# KiCad board uf2-batch-flasher.kicad_pcb (continued)
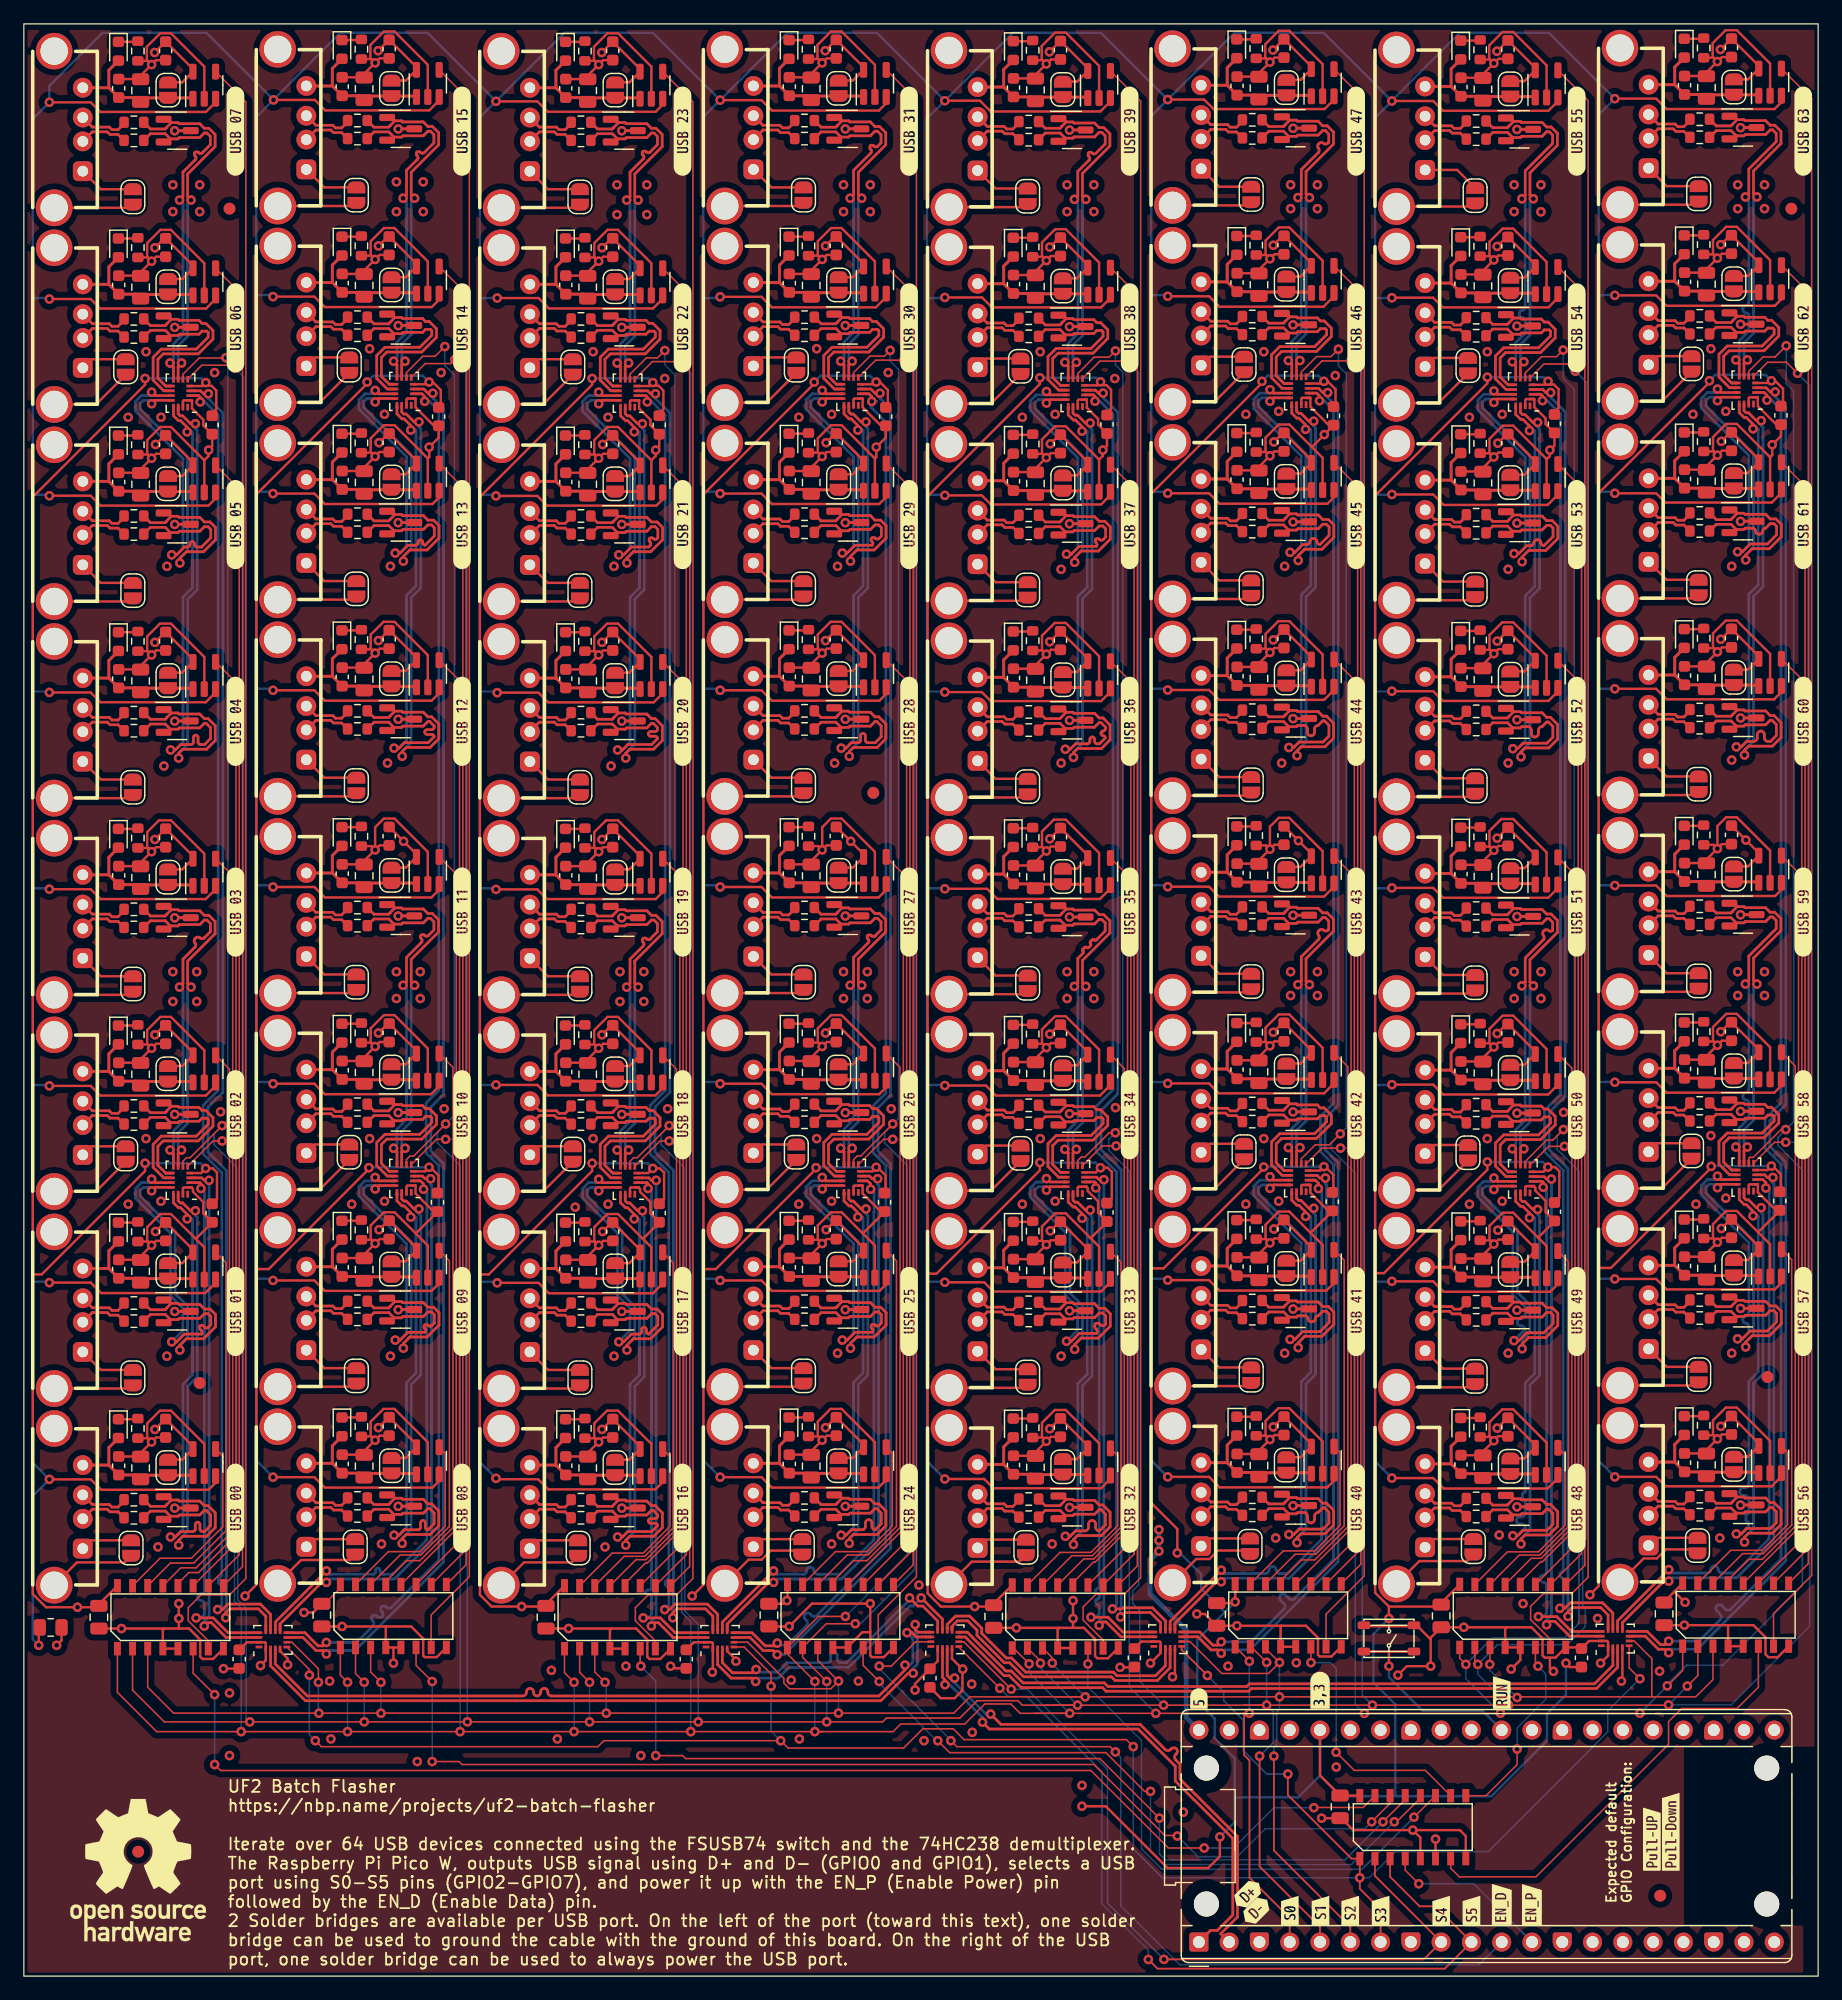
[diagram p0: board, top side]
## Routing (per net, layer and track width the routed paths; a pad name or vN(x,y) marks a point on that pad's centre or on a via; arc(x,y) is an arc through that point) (continued)
  Top w0.25: U7601.1 145.44,141.31 141.47,141.31 C7602.1 140.76,141.33 C7605.1 138.47,142.16 ; 138.47,142.16 138.47,143.63 D7601.2 ; 138.47,142.16 J7601.1
/16usb-ports3/4usb-port3/usb-port3/VBUS: length 12.5
  Top w0.25: 138.47,158.65 138.47,160.12 D8301.2 ; 138.47,158.65 J8301.1 ; 138.47,158.65 C8305.1 140.76,157.82 C8302.1 141.47,157.8 145.44,157.8 U8301.1
GND: length 2360.6
  Top w0.2: 33.88,127.29 U2101.2 ; 33.88,127.29 31.09,130.09 30.2,130.09 29.09,128.98 29.09,127.83 v1(29.46,127.46) ; 33.88,127.29 34,127.41 v1(34,128.25) 34.79,129.04 C1801.2 34.4,130.03 32.86,131.58 32.86,132.28 32.82,132.32 U1801.1 32.17,132.32 32.09,132.25 U1801.15 ; v1(85.77,61.35) 86.14,61.73 C6301.2 ; v1(85.77,61.35) 85.4,61.72 85.4,62.88 86.5,63.98 87.39,63.98 90.19,61.19 U6301.2 ; v1(85.77,61.35) 85.45,61.67 R6302.2 ; v1(85.77,61.35) 84.85,60.43 C6302.2 84.83,60.14 C6305.2 ; C3205.2 66.03,76.76 C3202.2 66.04,77.06 v1(66.96,77.98) ; v1(104.52,160.54) 104.12,160.93 104.12,162.04 105.25,163.16 106.14,163.16 108.94,160.37 U6201.2 ; v1(104.52,160.54) 103.6,159.62 C6202.2 103.58,159.32 C6205.2 ; v1(104.52,160.54) 104.2,160.85 R6202.2 ; v1(104.52,160.54) 104.89,160.91 C6201.2 ; v1(10.71,143.84) 9.79,142.92 C1102.2 9.78,142.63 C1105.2 ; v1(10.71,143.84) 10.4,144.16 ; v1(10.71,143.84) 11.09,144.22 C1101.2 ; v1(29.46,77.98) 29.84,78.35 C1401.2 ; v1(29.46,77.98) 28.54,77.06 C1402.2 28.53,76.76 C1405.2 ; v1(29.46,77.98) 29.15,78.29 ; v1(123.3,160.44) 122.98,160.75 R7402.2 ; v1(123.3,160.44) 123.67,160.81 C7401.2 ; v1(123.3,160.44) 122.91,160.83 122.91,161.94 124.03,163.06 124.93,163.06 127.72,160.27 U7401.2 ; v1(123.3,160.44) 122.38,159.52 C7402.2 122.36,159.22 C7405.2 ; U501.2 15.13,61.13 12.34,63.92 11.45,63.92 10.34,62.82 10.34,61.67 v1(10.71,61.3) ; U5101.2 90.19,110.71 87.39,113.5 86.47,113.5 85.4,112.43 85.4,111.24 v1(85.77,110.87) ; v1(48.21,110.82) 47.84,111.19 47.84,112.37 48.91,113.44 49.84,113.44 52.63,110.65 U2401.2 ; v1(48.21,110.82) 48.59,111.19 C2401.2 ; v1(48.21,110.82) 47.9,111.13 R2402.2 ; v1(48.21,110.82) 47.29,109.9 C2402.2 47.28,109.6 C2405.2 ; U301.15 13.34,66.08 13.42,66.16 U301.1 14.04,66.16 14.19,66.01 14.19,65.79 15.05,64.93 15.05,63.98 C301.2 15.79,63.21 14.42,61.84 ; C3601.2 48.59,45.18 v1(48.21,44.8) ; JP1201.1 6.45,149.88 J1201.4 ; 66.65,144.31 66.59,144.36 66.59,145.51 67.7,146.62 68.58,146.62 71.38,143.82 U2501.2 ; 66.65,144.31 v1(66.96,143.99) ; 66.65,144.31 R2502.2 ; v1(104.52,78.03) 103.6,77.11 C4502.2 103.58,76.82 C4505.2 ; v1(104.52,78.03) 104.89,78.41 C4501.2 ; v1(104.52,78.03) 104.2,78.35 ; v1(142.05,127.57) 141.73,127.88 R7702.2 ; v1(142.05,127.57) 142.42,127.94 C7701.2 ; v1(142.05,127.57) 141.68,127.94 141.68,129.09 142.78,130.19 143.68,130.19 146.47,127.4 ; v1(142.05,127.57) 141.13,126.65 C7702.2 141.11,126.35 C7705.2 ; v1(123.3,94.42) 122.93,94.79 122.93,96.06 123.92,97.05 124.93,97.05 127.72,94.26 U8001.2 ; v1(123.3,94.42) 122.98,94.74 R8002.2 ; v1(123.3,94.42) 123.67,94.8 C8001.2 ; v1(123.3,94.42) 122.38,93.5 C8002.2 122.36,93.21 C8005.2 ; C2302.2 v1(64.19,29.33) 66.11,31.25 v1(70.99,31.25) 70.99,28.85 ; U1301.15 32.09,66.23 32.17,66.31 U1301.1 32.82,66.31 32.86,66.27 32.86,65.64 34.37,64.13 C1301.2 34.69,64.11 32.87,62.29 ; v1(48.21,44.8) 47.84,45.17 47.84,46.36 48.91,47.43 49.84,47.43 52.63,44.64 U3601.2 ; v1(48.21,44.8) 47.29,43.88 C3602.2 47.28,43.59 C3605.2 ; v1(48.21,44.8) 47.9,45.12 R3602.2 ; v1(10.71,94.32) 11.09,94.69 C701.2 ; v1(10.71,94.32) 10.34,94.69 10.34,95.95 11.33,96.94 12.34,96.94 15.13,94.15 U701.2 ; v1(10.71,94.32) 9.79,93.4 C702.2 9.78,93.1 C705.2 ; v1(10.71,94.32) 10.4,94.63 R702.2 ; 104.2,144.36 v1(104.52,144.05) ; 104.2,144.36 104.15,144.42 104.15,145.57 105.26,146.68 106.14,146.68 108.94,143.88 U5801.2 ; 104.2,144.36 R5802.2 ; v1(104.52,144.05) 103.6,143.13 C5802.2 103.58,142.83 C5805.2 ; v1(104.52,144.05) 104.89,144.42 C5801.2 ; J4501.4 99.47,69.81 JP4501.1 ; U601.2 15.13,77.66 12.33,80.46 11.45,80.46 10.34,79.35 10.34,78.2 10.4,78.14 ; U2302.4 U2302.5 69.13,27.65 70.33,28.85 70.99,28.85 ; J2101.4 25.2,117.01 JP2101.1 ; U7001.2 127.72,77.76 124.92,80.56 124.04,80.56 122.93,79.45 122.93,78.3 122.98,78.25 ; JP901.1 6.45,116.86 J901.4 ; 29.15,144.31 29.09,144.36 29.09,145.51 30.2,146.62 31.08,146.62 33.88,143.82 U2001.2 ; 29.15,144.31 R2002.2 ; 29.15,144.31 v1(29.46,143.99) ; v1(48.21,143.84) 48.59,144.22 C3001.2 ; v1(48.21,143.84) 47.9,144.16 ; v1(48.21,143.84) 47.29,142.92 C3002.2 47.28,142.63 C3005.2 ; v1(142.05,111.08) 141.13,110.16 C7202.2 141.11,109.86 C7205.2 ; v1(142.05,111.08) 142.42,111.45 C7201.2 ; v1(142.05,111.08) 141.68,111.44 141.68,112.63 142.75,113.7 143.68,113.7 146.47,110.91 U7201.2 ; v1(142.05,111.08) 141.73,111.39 R7202.2 ; 85.45,78.2 v1(85.77,77.88) ; 85.45,78.2 R6002.2 ; 85.45,78.2 85.4,78.25 85.4,79.4 86.51,80.51 87.39,80.51 90.19,77.71 U6001.2 ; v1(85.77,77.88) 86.14,78.26 C6001.2 ; v1(85.77,77.88) 84.85,76.96 C6002.2 84.83,76.67 C6005.2 ; J3801.4 43.95,116.86 JP3801.1 ; v1(10.71,61.3) 11.09,61.67 C501.2 ; v1(10.71,61.3) 10.4,61.61 R502.2 ; v1(10.71,61.3) 9.79,60.38 C502.2 9.78,60.08 C505.2 ; U5201.15 107.15,66.29 107.22,66.36 U5201.1 107.87,66.36 107.91,66.33 107.91,65.7 109.42,64.19 C5201.2 109.75,64.16 107.93,62.35 ; 51.92,61.84 53.29,63.21 C3101.2 52.55,63.98 52.55,64.93 51.69,65.79 51.69,66.01 51.54,66.16 U3101.1 50.92,66.16 50.84,66.08 U3101.15 ; v1(123.3,44.91) 122.98,45.23 R8402.2 ; v1(123.3,44.91) 122.93,45.28 122.93,46.46 124,47.54 124.93,47.54 127.72,44.74 U8401.2 ; v1(123.3,44.91) 123.67,45.29 C8401.2 ; v1(123.3,44.91) 122.38,43.99 C8402.2 122.36,43.7 C8405.2 ; 89.48,61.9 90.85,63.26 C4801.2 90.1,64.03 90.1,64.99 89.24,65.85 89.24,66.07 89.1,66.21 U4801.1 88.47,66.21 88.4,66.14 U4801.15 ; v1(123.3,110.92) 123.67,111.3 C6601.2 ; v1(123.3,110.92) 122.98,111.24 R6602.2 ; v1(123.3,110.92) 122.38,110 122.38,109.69 122.36,109.71 C6605.2 ; v1(123.3,110.92) 122.93,111.29 122.93,112.48 124,113.55 124.93,113.55 127.72,110.76 U6601.2 ; v1(123.3,127.42) 122.93,127.79 122.93,128.94 124.03,130.04 124.93,130.04 127.72,127.25 ; v1(123.3,127.42) 122.98,127.73 R6702.2 ; v1(123.3,127.42) 123.67,127.79 C6701.2 ; v1(123.3,127.42) 122.38,126.5 C6702.2 122.36,126.2 C6705.2 ; J8301.4 137.79,150.14 JP8301.1 ; R3202.2 66.65,78.29 ; 66.65,78.29 v1(66.96,77.98) ; 66.65,78.29 66.59,78.35 66.59,79.5 67.7,80.61 68.58,80.61 71.38,77.81 U3201.2 ; C4403.2 93.74,28.06 U4403.15 95.27,28.06 95.35,27.99 U4403.1 95.35,27.1 v1(94.5,26.25) ; U1201.2 15.13,160.16 12.34,162.96 11.45,162.96 10.32,161.83 10.32,160.73 v1(10.71,160.33) ; v1(48.21,127.31) 47.9,127.63 R3802.2 ; v1(48.21,127.31) 47.29,126.39 C3802.2 47.28,126.1 C3805.2 ; v1(48.21,127.31) 48.59,127.69 C3801.2 ; v1(48.21,127.31) 47.84,127.68 47.84,128.83 48.95,129.94 49.84,129.94 52.63,127.14 ; 71.38,127.29 68.59,130.09 67.7,130.09 66.59,128.98 66.59,127.83 v1(66.96,127.46) ; 71.38,127.29 71.5,127.41 v1(71.5,128.25) 72.29,129.04 C2701.2 71.9,130.03 70.36,131.58 70.36,132.28 70.32,132.32 U2701.1 69.67,132.32 69.59,132.25 U2701.15 ; 71.38,127.29 U2601.2 ; U1501.2 33.88,94.3 31.09,97.09 30.2,97.09 29.46,96.36 v1(29.46,94.47) ; J2201.4 25.2,100.52 JP2201.1 ; v1(128.3,25.57) 128,25.87 128,26.71 ; JP1901.1 25.2,150.03 J1901.4 ; v1(66.96,61.45) 66.65,61.76 R3302.2 ; v1(66.96,61.45) 67.34,61.82 C3301.2 ; v1(66.96,61.45) 66.04,60.53 C3302.2 66.03,60.23 C3305.2 ; v1(66.96,61.45) 66.59,61.82 66.59,62.97 67.7,64.07 68.59,64.07 70.37,62.29 ; v1(29.46,160.48) 29.07,160.88 29.07,161.98 30.2,163.11 31.09,163.11 33.88,160.31 U1901.2 ; v1(29.46,160.48) 29.15,160.8 R1902.2 ; v1(29.46,160.48) 29.84,160.86 C1901.2 ; v1(29.46,160.48) 28.54,159.56 C1902.2 28.53,159.27 C1905.2 ; v1(104.52,127.52) 104.89,127.89 C4701.2 ; v1(104.52,127.52) 103.6,126.6 C4702.2 103.58,126.3 C4705.2 ; v1(104.52,127.52) 104.15,127.89 104.15,129.04 105.25,130.14 106.14,130.14 108.04,128.25 ; v1(104.52,127.52) 104.2,127.83 R4702.2 ; 124.38,29.26 C6501.2 118,28.38 118,28.25 ; 124.38,29.26 126.44,29.26 127.38,28.33 127.38,26.9 127.56,26.71 128,26.71 ; 124.38,29.26 124.24,29.13 U6501.4 U6501.5 125.51,26.51 v1(124.75,25.75) ; v1(123.3,61.4) 122.93,61.77 122.93,62.93 124.03,64.03 124.93,64.03 127.72,61.24 U6901.2 ; v1(123.3,61.4) 123.67,61.78 C6901.2 ; v1(123.3,61.4) 122.38,60.48 C6902.2 122.36,60.19 C6905.2 ; v1(123.3,61.4) 122.98,61.72 R6902.2 ; C1201.2 11.09,160.71 v1(10.71,160.33) ; R2102.2 29.15,127.78 v1(29.46,127.46) ; v1(142.05,144.1) 142.42,144.47 C7601.2 ; v1(142.05,144.1) 141.13,143.18 C7602.2 141.11,142.88 C7605.2 ; v1(142.05,144.1) 141.73,144.41 ; J6401.4 81.51,149.94 JP6401.1 ; J1601.4 24.34,36.66 JP1601.1 ; U7301.2 146.47,94.41 143.68,97.2 142.78,97.2 142.05,96.47 v1(142.05,94.58) ; U4501.2 108.94,77.86 106.14,80.66 105.26,80.66 104.15,79.55 104.15,78.4 104.2,78.35 ; JP4101.1 43.95,83.87 J4101.4 ; v1(29.46,127.46) 28.54,126.54 C2102.2 28.53,126.25 C2105.2 ; v1(29.46,127.46) 29.84,127.84 C2101.2 ; 86.85,29.21 86.71,29.08 U4401.4 U4401.5 ; 86.85,29.21 88,29.21 ; 86.85,29.21 C4401.2 ; v1(85.77,160.39) 86.14,160.76 C6401.2 ; v1(85.77,160.39) 85.37,160.78 85.37,161.89 86.5,163.01 87.39,163.01 90.19,160.22 U6401.2 ; v1(85.77,160.39) 85.45,160.7 R6402.2 ; v1(85.77,160.39) 84.85,159.47 C6402.2 84.83,159.17 C6405.2 ; J3201.4 61.91,69.76 JP3201.1 ; 107.93,62.35 106.14,64.13 105.25,64.13 104.15,63.03 104.15,61.87 v1(104.52,61.5) ; 107.93,62.35 108.94,61.34 U4601.2 ; R7502.2 141.73,45.38 v1(142.05,45.06) ; C2005.2 28.53,142.78 C2002.2 28.54,143.07 v1(29.46,143.99) ; JP3301.1 62.7,51 J3301.4 ; v1(85.77,94.37) 85.4,94.74 85.4,96.01 86.39,97 87.39,97 90.19,94.21 U6101.2 ; v1(85.77,94.37) 85.45,94.69 R6102.2 ; v1(85.77,94.37) 86.14,94.75 C6101.2 ; v1(85.77,94.37) 84.85,93.45 C6102.2 84.83,93.16 C6105.2 ; v1(104.52,94.52) 104.89,94.9 C5301.2 ; v1(104.52,94.52) 103.6,93.6 C5302.2 103.58,93.31 C5305.2 ; v1(104.52,94.52) 104.52,96.42 105.25,97.15 106.14,97.15 108.94,94.36 U5301.2 ; v1(104.52,94.52) 104.2,94.84 R5302.2 ; 146.47,127.4 U7701.2 ; 146.47,127.4 146.65,127.58 v1(146.65,128.45) 147.38,129.18 C7801.2 146.99,130.14 145.44,131.69 145.44,132.39 145.41,132.43 U7801.1 144.75,132.43 144.68,132.35 U7801.15 ; v1(142.05,160.59) 141.13,159.67 C8302.2 141.11,159.37 C8305.2 ; v1(142.05,160.59) 142.42,160.96 C8301.2 ; v1(142.05,160.59) 141.65,160.98 141.65,162.13 142.74,163.21 143.68,163.21 146.47,160.42 U8301.2 ; v1(142.05,160.59) 141.73,160.9 R8302.2 ; J7401.4 120.22,151.5 JP7401.1 ; v1(66.96,143.99) 67.34,144.37 C2501.2 ; v1(66.96,143.99) 66.04,143.07 C2502.2 66.03,142.78 C2505.2 ; v1(48.21,61.3) 47.84,61.67 47.84,62.82 48.95,63.92 49.84,63.92 52.63,61.13 U3401.2 ; v1(48.21,61.3) 47.29,60.38 C3402.2 47.28,60.08 C3405.2 ; v1(48.21,61.3) 48.59,61.67 C3401.2 ; v1(48.21,61.3) 47.9,61.61 R3402.2 ; v1(10.71,160.33) 9.79,159.41 C1202.2 9.78,159.12 C1205.2 ; v1(10.71,160.33) 10.4,160.65 R1202.2 ; C1001.2 11.09,111.19 v1(10.71,110.82) ; JP8001.1 119.04,83.97 J8001.4 ; v1(10.71,44.8) 10.4,45.12 R401.2 ; v1(10.71,44.8) 10.34,45.17 10.34,46.36 11.41,47.43 12.34,47.43 15.13,44.64 U401.2 ; v1(10.71,44.8) 9.79,43.88 C402.2 9.78,43.59 C405.2 ; v1(10.71,44.8) 11.09,45.18 C401.2 ; C2605.2 66.03,126.25 C2602.2 66.04,126.54 v1(66.96,127.46) ; JP2501.1 61.91,135.77 J2501.4 ; 10.4,78.14 v1(10.71,77.83) ; 10.4,78.14 R602.2 ; v1(10.71,77.83) 9.79,76.91 C602.2 9.78,76.61 C605.2 ; v1(10.71,77.83) 11.09,78.2 C601.2 ; 108.04,128.25 108.94,127.35 U4701.2 ; 108.04,128.25 109.85,130.06 C5001.2 109.46,130.09 107.91,131.64 107.91,132.34 107.87,132.38 U5001.1 107.22,132.38 107.15,132.3 U5001.15 ; v1(142.05,45.06) 141.13,44.14 C7502.2 141.11,43.85 C7505.2 ; v1(142.05,45.06) 142.42,45.44 C7501.2 ; v1(142.05,45.06) 141.68,45.43 141.68,46.61 142.75,47.69 143.68,47.69 146.47,44.89 U7501.2 ; 105.45,29.39 105.41,29.35 U4402.4 U4402.5 ; 105.45,29.39 v1(101.75,29.39) C4402.2 99.06,30.38 v1(98.39,30.38) ; 105.45,29.39 107.54,29.39 108.55,28.38 108.55,26.95 108.68,26.81 109.68,26.81 U4402.8 ; v1(85.77,127.37) 84.85,126.45 C5502.2 84.83,126.15 C5505.2 ; v1(85.77,127.37) 85.45,127.68 R5502.2 ; v1(85.77,127.37) 85.4,127.74 85.4,128.89 86.5,129.99 87.39,129.99 90.19,127.2 ; v1(85.77,127.37) 86.14,127.74 C5501.2 ; R2802.2 66.65,94.78 v1(66.96,94.47) ; v1(85.77,110.87) 85.45,111.19 R5102.2 ; v1(85.77,110.87) 84.85,109.95 C5102.2 84.83,109.66 C5105.2 ; v1(85.77,110.87) 86.14,111.25 C5101.2 ; U8501.15 125.93,66.19 126,66.26 U8501.1 126.63,66.26 126.78,66.12 126.78,65.9 127.64,65.04 127.64,64.08 C8501.2 128.38,63.31 127.01,61.95 ; v1(142.05,61.56) 141.73,61.87 R8202.2 ; v1(142.05,61.56) 142.42,61.93 C8201.2 ; v1(142.05,61.56) 141.68,61.92 141.68,63.08 142.78,64.18 143.68,64.18 145.46,62.4 ; v1(142.05,61.56) 141.13,60.63 C8202.2 141.11,60.34 C8205.2 ; v1(66.96,94.47) 66.96,96.36 67.7,97.09 68.59,97.09 71.38,94.3 U2801.2 ; v1(66.96,94.47) 66.04,93.55 C2802.2 66.03,93.25 C2805.2 ; v1(66.96,94.47) 67.34,94.84 C2801.2 ; v1(123.3,77.93) 123.67,78.31 C7001.2 ; v1(123.3,77.93) 122.38,77.01 C7002.2 122.36,76.72 C7005.2 ; v1(123.3,77.93) 122.98,78.25 ; J4701.4 100.26,117.07 JP4701.1 ; C5605.2 84.83,142.68 C5602.2 84.85,142.98 v1(85.77,143.9) ; JP6001.1 80.72,69.66 J6001.4 ; v1(48.21,160.33) 47.82,160.73 47.82,161.83 48.95,162.96 49.84,162.96 52.63,160.16 U3701.2 ; v1(48.21,160.33) 47.29,159.41 C3702.2 47.28,159.12 C3705.2 ; v1(48.21,160.33) 48.59,160.71 C3701.2 ; v1(48.21,160.33) 47.9,160.65 R3702.2 ; 32.87,62.29 31.09,64.07 30.2,64.07 29.09,62.97 29.09,61.82 v1(29.46,61.45) ; 32.87,62.29 33.88,61.28 U1701.2 ; 31,27.57 U202.4 30.36,29.3 30.39,29.33 ; 31,27.57 v1(31,26.25) ; 31,27.57 U202.5 ; J1401.4 24.41,69.76 JP1401.1 ; C4905.2 84.83,43.65 C4902.2 84.85,43.94 v1(85.77,44.86) ; 145.46,62.4 146.47,61.39 U8201.2 ; 145.46,62.4 147.28,64.21 C8101.2 146.95,64.24 145.44,65.75 145.44,66.38 145.41,66.41 U8101.1 144.75,66.41 144.68,66.34 U8101.15 ; J1701.4 25.2,51 JP1701.1 ; v1(66.96,160.48) 67.34,160.86 C4201.2 ; v1(66.96,160.48) 66.65,160.8 R4202.2 ; v1(66.96,160.48) 66.04,159.56 C4202.2 66.03,159.27 C4205.2 ; v1(66.96,160.48) 66.57,160.88 66.57,161.98 67.7,163.11 68.59,163.11 71.38,160.31 U4201.2 ; v1(29.46,110.97) 28.54,110.05 C2202.2 28.53,109.75 C2205.2 ; v1(29.46,110.97) 29.84,111.34 C2201.2 ; v1(29.46,110.97) 29.09,111.34 29.09,112.52 30.16,113.59 31.09,113.59 33.88,110.8 U2201.2 ; v1(29.46,110.97) 29.15,111.28 R2202.2 ; J3001.4 43.16,135.62 JP3001.1 ; SW101.1 112.48,29.35 116.52,29.35 SW101.2 116.82,29.43 118,28.25 ; JP3601.1 43.14,36.56 J3601.4 ; 88,29.21 88.91,29.21 89.85,28.28 89.85,26.85 90.03,26.66 90.93,26.66 U4401.8 ; 88,29.21 v1(88,31.5) ; J7001.4 118.25,69.71 JP7001.1 ; v1(104.52,45.01) 103.6,44.09 C5402.2 103.58,43.8 C5405.2 ; v1(104.52,45.01) 104.89,45.39 C5401.2 ; v1(104.52,45.01) 104.15,45.38 104.15,46.56 105.22,47.64 106.14,47.64 108.94,44.84 U5401.2 ; v1(104.52,45.01) 104.2,45.33 R5402.2 ; R2602.2 66.65,127.78 v1(66.96,127.46) ; J6901.4 119.04,50.95 JP6901.1 ; JP5501.1 81.51,116.92 J5501.4 ; JP6201.1 100.26,150.09 J6201.4 ; v1(66.96,77.98) 67.34,78.35 C3201.2 ; U103.5 117.13,11.62 v1(116.5,12.25) ; U6502.5 U6502.4 142.94,29.4 142.98,29.44 ; 90.19,127.2 U5501.2 ; 90.19,127.2 90.5,127.51 v1(90.5,128) 90.85,128.35 C5901.2 90.1,130.13 90.1,130.61 89.16,131.55 89.16,132.19 89.12,132.23 U5901.1 88.47,132.23 88.4,132.15 U5901.15 ; JP7201.1 137.79,100.62 J7201.4 ; JP7301.1 137.79,84.12 J7301.4 ; v1(66.96,44.95) 67.34,45.33 C2901.2 ; v1(66.96,44.95) 66.65,45.27 R2902.2 ; v1(66.96,44.95) 66.04,44.03 C2902.2 66.03,43.74 C2905.2 ; v1(66.96,44.95) 66.59,45.32 66.59,46.51 67.66,47.58 68.59,47.58 71.38,44.79 U2901.2 ; 85.45,144.21 85.4,144.27 85.4,145.42 86.51,146.53 87.39,146.53 90.19,143.73 U5601.2 ; 85.45,144.21 R5602.2 ; 85.45,144.21 v1(85.77,143.9) ; v1(48.21,77.83) 48.59,78.2 C3901.2 ; v1(48.21,77.83) 47.29,76.91 C3902.2 47.28,76.61 C3905.2 ; v1(48.21,77.83) 47.9,78.14 ; 141.73,78.4 v1(142.05,78.08) ; 141.73,78.4 141.68,78.45 141.68,79.6 142.79,80.71 143.67,80.71 146.47,77.91 U6801.2 ; 141.73,78.4 R6802.2 ; v1(142.05,78.08) 142.42,78.46 C6801.2 ; v1(142.05,78.08) 141.13,77.16 C6802.2 141.11,76.87 C6805.2 ; J4601.4 100.26,51.05 JP4601.1 ; JP1501.1 25.2,84.02 J1501.4 ; C4601.2 104.89,61.88 v1(104.52,61.5) ; v1(48.21,94.32) 47.9,94.63 R4102.2 ; v1(48.21,94.32) 47.84,94.69 47.84,95.95 48.83,96.94 49.84,96.94 52.63,94.15 U4101.2 ; v1(48.21,94.32) 48.59,94.69 C4101.2 ; v1(48.21,94.32) 47.29,93.4 C4102.2 47.28,93.1 C4105.2 ; JP501.1 6.45,50.85 J501.4 ; C5701.2 104.89,111.4 v1(104.52,111.02) ; v1(19.85,26.05) 20.29,26.49 U201.1 20.29,27.93 20.22,28.01 U201.15 18.7,28.01 C203.2 ; v1(29.46,94.47) 29.84,94.84 C1501.2 ; v1(29.46,94.47) 28.54,93.55 C1502.2 28.53,93.25 C1505.2 ; v1(29.46,94.47) 29.15,94.78 R1502.2 ; J5801.4 99.47,135.83 JP5801.1 ; U7901.2 127.72,143.78 124.92,146.58 124.04,146.58 122.93,145.47 122.93,144.32 122.98,144.26 ; v1(104.52,111.02) 104.15,111.39 104.15,112.58 105.22,113.65 106.14,113.65 108.94,110.86 U5701.2 ; v1(104.52,111.02) 103.6,110.1 C5702.2 103.58,109.81 C5705.2 ; v1(104.52,111.02) 104.2,111.34 R5702.2 ; v1(104.52,61.5) 104.2,61.82 R4602.2 ; v1(104.52,61.5) 103.6,60.58 C4602.2 103.58,60.29 C4605.2 ; v1(10.71,110.82) 9.79,109.9 C1002.2 9.78,109.6 C1005.2 ; v1(10.71,110.82) 10.4,111.13 R1002.2 ; v1(10.71,110.82) 10.34,111.19 10.34,112.37 11.41,113.44 12.34,113.44 15.13,110.65 U1001.2 ; U102.1 76.65,26.43 C102.2 74.75,24.53 v1(74.75,24) ; 118,28.25 v1(118,26) 116,26 v1(115.25,25.25) ; J2601.4 62.7,117.01 JP2601.1 ; 47.9,78.14 47.84,78.2 47.84,79.35 48.95,80.46 49.83,80.46 52.63,77.66 U3901.2 ; 47.9,78.14 R3902.2 ; C1705.2 28.53,60.23 C1702.2 28.54,60.53 v1(29.46,61.45) ; C905.2 9.78,126.1 C902.2 9.79,126.39 v1(10.71,127.31) ; 127.72,127.25 127.75,127.25 128,127.5 v1(128,128) 128.38,128.38 C7101.2 127.64,130.18 127.64,130.66 126.69,131.6 126.69,132.24 126.66,132.28 U7101.1 126,132.28 125.93,132.2 U7101.15 ; 127.72,127.25 U6701.2 ; JP601.1 5.66,69.61 J601.4 ; 47.9,144.16 47.84,144.21 47.84,145.36 48.95,146.47 49.83,146.47 52.63,143.67 U3001.2 ; 47.9,144.16 R3002.2 ; JP3401.1 43.95,50.85 J3401.4 ; JP2901.1 61.84,36.66 J2901.4 ; R4502.2 104.2,78.35 ; 10.4,144.16 R1102.2 ; 10.4,144.16 10.34,144.21 10.34,145.36 11.45,146.47 12.33,146.47 15.13,143.67 U1101.2 ; U1401.2 33.88,77.81 31.08,80.61 30.2,80.61 29.09,79.5 29.09,78.35 29.15,78.29 ; U7601.2 146.47,143.93 143.67,146.73 142.79,146.73 141.68,145.62 141.68,144.47 141.73,144.41 ; U3501.15 69.59,66.23 69.67,66.31 U3501.1 70.32,66.31 70.36,66.27 70.36,65.64 71.87,64.13 C3501.2 72.19,64.11 70.37,62.29 ; v1(85.77,143.9) 86.14,144.27 C5601.2 ; J7601.4 137,135.88 JP7601.1 ; v1(57.75,25.5) 57.79,25.54 U2303.1 57.79,27.93 57.72,28.01 U2303.15 56.2,28.01 C2303.2 ; 30.39,29.33 v1(26.69,29.33) C202.2 ; 30.39,29.33 32.48,29.33 33.49,28.32 33.49,26.89 33.63,26.76 34.63,26.76 U202.8 ; J7701.4 137.79,117.12 JP7701.1 ; v1(116.5,12.25) 120.45,12.25 120.94,11.75 U103.8 ; v1(116.5,12.25) 111.5,12.25 110.4,13.35 ; U3301.2 71.38,61.28 70.37,62.29 ; R7002.2 122.98,78.25 ; JP1001.1 6.45,100.37 J1001.4 ; v1(66.96,110.97) 66.65,111.28 R4302.2 ; v1(66.96,110.97) 66.04,110.05 C4302.2 66.03,109.75 C4305.2 ; v1(66.96,110.97) 67.34,111.34 C4301.2 ; v1(66.96,110.97) 66.59,111.34 66.59,112.52 67.66,113.59 68.59,113.59 71.38,110.8 U4301.2 ; v1(29.46,61.45) 29.84,61.82 C1701.2 ; v1(29.46,61.45) 29.15,61.76 R1702.2 ; C7301.2 142.42,94.95 v1(142.05,94.58) ; C901.2 11.09,127.69 v1(10.71,127.31) ; J3901.4 43.16,69.61 JP3901.1 ; 142.98,29.44 145.07,29.44 146.08,28.43 146.08,27 146.33,26.75 147.1,26.75 U6502.8 ; 142.98,29.44 v1(139.28,29.44) C6502.2 ; 29.15,78.29 R1402.2 ; v1(142.05,94.58) 141.73,94.89 R7302.2 ; v1(142.05,94.58) 141.13,93.66 C7302.2 141.11,93.36 C7305.2 ; JP4901.1 80.69,36.61 J4901.4 ; J5401.4 99.39,36.71 JP5401.1 ; 141.73,144.41 R7602.2 ; v1(29.46,44.95) 29.84,45.33 C1601.2 ; v1(29.46,44.95) 29.09,45.32 29.09,46.51 30.16,47.58 31.09,47.58 33.88,44.79 U1601.2 ; v1(29.46,44.95) 28.54,44.03 C1602.2 28.53,43.74 C1605.2 ; v1(29.46,44.95) 29.15,45.27 R1602.2 ; JP5101.1 81.51,100.42 J5101.4 ; 122.98,144.26 v1(123.3,143.95) ; 122.98,144.26 R7902.2 ; v1(123.3,143.95) 122.38,143.03 C7902.2 122.36,142.73 C7905.2 ; v1(123.3,143.95) 123.67,144.32 C7901.2 ; 15.13,127.14 12.34,129.94 11.45,129.94 10.34,128.83 10.34,127.68 v1(10.71,127.31) ; 15.13,127.14 U901.2 ; 15.13,127.14 15.5,127.51 v1(15.5,128) 15.79,128.29 C801.2 15.05,130.08 15.05,130.55 14.11,131.49 14.11,132.13 14.07,132.17 U801.1 13.42,132.17 13.34,132.1 U801.15 ; J2401.4 43.95,100.37 JP2401.1 ; J6701.4 119.04,116.97 JP6701.1 ; J5701.4 100.26,100.57 JP5701.1 ; v1(66.96,127.46) 67.34,127.84 C2601.2 ; 11.79,29.16 11.66,29.02 U203.4 U203.5 ; 11.79,29.16 13,29.16 ; 11.79,29.16 C201.2 ; JP5301.1 100.26,84.07 J5301.4 ; U2301.5 U2301.4 49.16,29.02 49.29,29.16 ; J7901.4 118.25,135.73 JP7901.1 ; v1(85.77,44.86) 85.45,45.18 R4902.2 ; v1(85.77,44.86) 86.14,45.24 C4901.2 ; v1(85.77,44.86) 85.4,45.23 85.4,46.41 86.47,47.49 87.39,47.49 90.19,44.69 U4901.2 ; JP6301.1 81.51,50.9 J6301.4 ; 70.99,28.85 70.99,26.89 71.13,26.76 72.13,26.76 U2302.8 ; 52.63,127.14 U3801.2 ; 52.63,127.14 53,127.51 v1(53,128) 53.29,128.29 C4001.2 52.55,130.08 52.55,130.55 51.61,131.49 51.61,132.13 51.57,132.17 U4001.1 50.92,132.17 50.84,132.1 U4001.15 ; J401.4 5.64,36.56 JP401.1 ; C2001.2 29.84,144.37 v1(29.46,143.99) ; J8201.4 137.79,51.1 JP8201.1 ; JP701.1 6.45,83.87 J701.4 ; J2001.4 24.41,135.77 JP2001.1 ; J3701.4 43.95,149.88 JP3701.1 ; 121.73,100.47 119.04,100.47 J6601.4 ; v1(10.71,127.31) 10.4,127.63 R902.2 ; U203.8 15.88,26.61 14.98,26.61 14.79,26.79 14.79,28.22 13.86,29.16 13,29.16 ; U2301.8 53.38,26.61 52.48,26.61 52.29,26.79 52.29,28.22 51.36,29.16 49.29,29.16 ; J8401.4 118.22,36.66 JP8401.1 ; JP6801.1 137,69.86 J6801.4 ; v1(13,31.25) 13,29.16 ; J5601.4 80.72,135.68 JP5601.1 ; JP2801.1 62.7,84.02 J2801.4 ; J6101.4 81.51,83.92 JP6101.1 ; 49.29,29.16 C2301.2 ; v1(132.25,26.25) 132.88,26.88 U6503.1 132.88,28.03 132.79,28.11 U6503.15 131.29,28.11 C6503.2 130.55,27.57 U6501.8 128.46,26.71 128,26.71 ; J1101.4 5.66,135.62 JP1101.1 ; J7501.4 136.92,36.76 JP7501.1 ; J4201.4 62.7,150.03 JP4201.1 ; JP4301.1 62.7,100.52 J4301.4 ; v1(108.85,13.25) C101.2
  Top w0.25: v1(143.99,122.02) 144,122.03 D7702.3 ; D6702.3 125.25,121.88 v1(125.24,121.87) ; v1(68.9,88.92) 68.91,88.93 D2802.3 ; D7602.3 144,138.56 v1(143.99,138.55) ; v1(50.15,72.28) 50.16,72.29 D3902.3 ; D3602.3 50.16,39.26 v1(50.15,39.25) ; v1(125.24,88.88) 125.25,88.89 D8002.3 ; v1(125.24,154.89) 125.25,154.9 D7402.3 ; v1(87.71,39.31) 87.72,39.32 D4902.3 ; v1(106.46,138.5) 106.47,138.51 D5802.3 ; D4602.3 106.47,55.97 v1(106.46,55.96) ; v1(50.15,55.75) 50.16,55.76 D3402.3 ; D8302.3 144,155.05 v1(143.99,155.04) ; D1102.3 12.66,138.3 v1(12.65,138.29) ; v1(12.65,72.28) 12.66,72.29 D602.3 ; D4102.3 50.16,88.78 v1(50.15,88.77) ; D402.3 12.66,39.26 v1(12.65,39.25) ; D7502.3 144,39.52 v1(143.99,39.51) ; D2502.3 68.91,138.45 v1(68.9,138.44) ; D7202.3 144,105.54 v1(143.99,105.53) ; v1(68.9,72.43) 68.91,72.44 D3202.3 ; D2402.3 50.16,105.28 v1(50.15,105.27) ; v1(68.9,55.9) 68.91,55.91 D3302.3 ; D5402.3 106.47,39.47 v1(106.46,39.46) ; D3702.3 50.16,154.79 v1(50.15,154.78) ; v1(87.71,105.33) 87.72,105.34 D5102.3 ; v1(50.15,121.76) 50.16,121.77 D3802.3 ; D6602.3 125.25,105.39 v1(125.24,105.38) ; D2102.3 31.41,121.92 v1(31.4,121.91) ; v1(68.9,39.4) 68.91,39.41 D2902.3 ; v1(31.4,154.93) 31.41,154.94 D1902.3 ; D6202.3 106.47,155 v1(106.46,154.99) ; D4202.3 68.91,154.94 v1(68.9,154.93) ; D2602.3 68.91,121.92 v1(68.9,121.91) ; v1(87.71,138.35) 87.72,138.36 D5602.3 ; D4302.3 68.91,105.43 v1(68.9,105.42) ; v1(50.15,138.29) 50.16,138.3 D3002.3 ; v1(106.46,105.48) 106.47,105.49 D5702.3 ; D6802.3 144,72.54 v1(143.99,72.53) ; D702.3 12.66,88.78 v1(12.65,88.77) ; D4702.3 106.47,121.98 v1(106.46,121.97) ; D7002.3 125.25,72.39 v1(125.24,72.38) ; D6102.3 87.72,88.84 v1(87.71,88.83) ; D1402.3 31.41,72.44 v1(31.4,72.43) ; D1002.3 12.66,105.28 v1(12.65,105.27) ; D902.3 12.66,121.77 v1(12.65,121.76) ; v1(125.24,39.36) 125.25,39.37 D8402.3 ; v1(106.46,72.48) 106.47,72.49 D4502.3 ; D5302.3 106.47,88.99 v1(106.46,88.98) ; D8202.3 144,56.02 v1(143.99,56.01) ; v1(31.4,88.92) 31.41,88.93 D1502.3 ; v1(125.24,55.86) 125.25,55.87 D6902.3 ; D1702.3 31.41,55.91 v1(31.4,55.9) ; v1(125.24,138.4) 125.25,138.41 D7902.3 ; v1(31.4,138.44) 31.41,138.45 D2002.3 ; D6402.3 87.72,154.85 v1(87.71,154.84) ; D1202.3 12.66,154.79 v1(12.65,154.78) ; v1(31.4,105.42) 31.41,105.43 D2202.3 ; D1602.3 31.41,39.41 v1(31.4,39.4) ; v1(87.71,72.33) 87.72,72.34 D6002.3 ; v1(12.65,55.75) 12.66,55.76 D502.3 ; v1(87.71,121.82) 87.72,121.83 D5502.3 ; v1(143.99,89.03) 144,89.04 D7302.3 ; D6302.3 87.72,55.82 v1(87.71,55.81)
  In1.Cu w0.2: v1(129.15,72.45) 129.08,72.38 v1(125.24,72.38) ; v1(132,30) 131.25,30 129.25,32 126.5,32 v1(125.75,31.25) 123.75,31.25 ; v1(132,30) 132.56,29.44 v1(139.28,29.44) ; v1(132,30) 132.25,29.75 v1(132.25,26.25) 132.25,23.85 U104.28 130.43,19.25 140.35,19.25 U104.23 ; 122.81,86.44 122.06,85.69 ; 122.81,86.44 v1(125,84.25) v1(127.25,84.25) 127.75,83.75 127.75,82.5 v1(127.25,82) v1(125,82) ; 122.81,86.44 v1(125.24,88.88) 123.3,90.82 v1(123.3,94.42) 124.17,94.42 124.75,95 124.75,101.5 v1(124.5,101.75) 123.12,103.12 ; 122.06,85.69 122,85.64 122,78.75 122.82,77.93 v1(123.3,77.93) 123.3,74.32 v1(125.24,72.38) ; 122.06,85.69 121.85,85.48 J8001.4 ; 121.25,68.99 J7001.4 ; 121.25,68.99 121.49,68.99 v1(122.75,70.25) 124.88,72.38 v1(125.24,72.38) ; 121.25,68.99 v1(121.25,64.75) ; v1(142.05,127.57) 141.18,127.57 140,128.75 v1(140,131) ; v1(142.05,127.57) 142.05,123.96 v1(143.99,122.02) 143.77,122.02 141.62,119.88 ; v1(142.05,127.57) 145.77,127.57 v1(146.65,128.45) ; 121.25,135.01 J7901.4 ; 121.25,135.01 v1(121.25,130.75) ; 121.25,135.01 121.85,135.01 122.92,136.08 ; 141.86,103.39 v1(143.99,105.53) 142.05,107.47 v1(142.05,111.08) 142.82,111.08 143.75,112 143.75,117.75 v1(143.25,118.25) 141.62,119.88 ; 141.86,103.39 v1(143.25,102) 143.25,95.78 v1(142.05,94.58) 142.05,90.97 v1(143.99,89.03) ; 141.86,103.39 140.6,102.13 J7201.4 ; v1(141.5,136.5) 143.55,138.55 v1(143.99,138.55) ; v1(141.5,136.5) 140,135 v1(140,131) ; v1(141.5,136.5) 140.16,135.16 J7601.4 ; 141.74,37.26 v1(143.99,39.51) 142.05,41.45 v1(142.05,45.06) 143.06,45.06 143.5,45.5 143.5,46.75 143.25,47 v1(143.25,52.25) 141.74,53.76 ; 141.74,37.26 v1(142.25,36.75) 142.25,32.41 v1(139.28,29.44) ; 141.74,37.26 140.6,36.12 J7501.4 ; v1(140.25,64.75) 142.25,64.75 v1(142.75,65.25) ; v1(140.25,64.75) 141,64 141,62 141.44,61.56 v1(142.05,61.56) 142.05,57.95 v1(143.99,56.01) 141.74,53.76 ; v1(140.25,64.75) 140.14,64.86 140.14,69.14 ; v1(123.75,37) 123.75,37.87 v1(125.24,39.36) 125.24,42.97 v1(123.3,44.91) 124.41,44.91 124.75,45.25 124.75,52 v1(124.5,52.25) 123.07,53.68 ; v1(123.75,37) 123.75,31.25 ; v1(123.75,37) 122.72,35.97 J8401.4 ; U104.23 142.75,21.65 142.75,21.75 141.25,23.25 138.75,23.25 138.5,23.5 138.5,25.25 ; U104.23 141.74,20.74 ; v1(125,150.25) v1(127.25,150.25) 127.75,149.75 127.75,148.49 v1(127.25,147.99) ; v1(125,150.25) 124.5,149.75 124.5,148.5 v1(125,148) 125,144.5 124.45,143.95 v1(123.3,143.95) 123.3,140.34 v1(125.24,138.4) 122.92,136.08 ; v1(125,150.25) 123.12,152.12 ; 123.07,53.68 121.85,52.46 J6901.4 ; 123.07,53.68 v1(125.24,55.86) 123.3,57.8 v1(123.3,61.4) 122.85,61.4 121.25,63 v1(121.25,64.75) ; J6601.4 121.98,101.98 123.12,103.12 ; U104.3 106.03,5.25 110,5.25 ; 141.47,152.53 140.6,151.65 J8301.4 ; 141.47,152.53 v1(143.99,155.04) 143.99,158.65 v1(142.05,160.59) ; 141.47,152.53 v1(143.75,150.25) ; v1(140,131) 142.5,131 v1(142.75,131.25) ; 140.14,69.14 v1(141.5,70.5) 143.53,72.53 v1(143.99,72.53) 142.05,74.47 v1(142.05,78.08) 142.83,78.08 143.75,79 v1(143.75,82.25) 143.25,82.75 143.25,83.75 v1(143.75,84.25) ; 140.14,69.14 J6801.4 ; v1(143.75,84.25) 143.99,84.49 v1(143.99,89.03) ; v1(143.75,84.25) v1(146,84.25) 146.5,83.75 146.5,82.75 v1(146,82.25) ; 122.92,136.08 v1(122.75,136.25) ; 110,5.25 113.95,5.25 U104.8 ; 110,5.25 110,5.75 108.85,6.9 v1(108.85,13.25) ; 123.12,152.12 122.5,151.5 J7401.4 ; 123.12,152.12 125.24,154.24 v1(125.24,154.89) 123.3,156.83 v1(123.3,160.44) ; v1(121.25,64.75) 123.75,64.75 v1(124,65) ; v1(115.25,25.25) 115.25,21.73 U104.33 ; U104.33 118,22.3 v1(118,26) 120.78,28.78 v1(120.78,29.26) 122.77,31.25 123.75,31.25 ; U104.33 116.36,20.64 117.25,19.75 117.25,13 v1(116.5,12.25) ; U104.33 116.24,20.64 v1(108.85,13.25) ; 123.12,103.12 125.24,105.24 v1(125.24,105.38) 123.3,107.32 v1(123.3,110.92) 124.18,110.92 125,111.75 125,117.5 v1(124.5,118) 122.93,119.57 ; 141.74,53.76 140.6,52.61 J8201.4 ; U104.13 130.9,1 139.88,1 U104.18 ; v1(139.28,29.44) 139.28,26.78 138.5,26 138.5,25.25 ; v1(108.85,13.25) 108.85,15.43 U104.38 ; v1(142.05,144.1) 142.05,140.49 v1(143.99,138.55) ; v1(121.25,130.75) 123.75,130.75 v1(124,131) ; v1(121.25,130.75) 121.25,128.75 122.58,127.42 v1(123.3,127.42) 127.42,127.42 v1(128,128) ; J7301.4 136.4,85.75 140.75,85.75 143.99,88.99 v1(143.99,89.03) ; 138.5,25.25 138.17,25.58 v1(137.2,25.58) ; v1(143.99,138.55) 146,140.56 v1(146,148.25) 146.5,148.75 146.5,149.75 v1(146,150.25) v1(143.75,150.25) ; v1(143.75,150.25) 143.25,149.75 143.25,148.75 v1(143.75,148.25) ; 141.62,119.88 140.5,118.75 136.4,118.75 J7701.4
  In1.Cu w0.25: J6701.4 121.85,118.48 v1(125.24,121.87) 125.24,127.41 125.25,127.42
  vias: v1(8.19,29.16) v1(8.75,130.75) v1(8.75,64.75) v1(10.25,136.25) v1(10.25,70.25) v1(11.25,36) v1(11.5,130.75) v1(11.5,65) v1(11.75,101.5) v1(12,118.25) v1(12,52) v1(12.5,150.25) v1(12.5,148) v1(12.5,84.25) v1(12.5,81.75) v1(13,30) v1(14.5,84.25) v1(14.5,81.75) v1(14.75,150.25) v1(14.75,148) v1(16,134.5) v1(16.5,72.5) v1(17.25,23.75) v1(17.25,18.5) v1(25.65,24.75) v1(25.75,19.9) v1(27.5,64.75) v1(29,136.5) v1(29,70.25) v1(30,36.25) v1(30.25,131) v1(30.25,65) v1(30.5,101.75) v1(30.75,118.25) v1(30.75,52) v1(31.25,150.5) v1(31.25,148) v1(31.25,84.25) v1(31.25,82) v1(33,18) v1(33.25,84.25) v1(33.25,82) v1(33.5,150.5) v1(33.5,148) v1(35,134.5) v1(35.25,72.75) v1(44.25,25.65) v1(44.75,19.9) v1(45.69,29.16) v1(46.25,64.5) v1(47.75,136.25) v1(47.75,70.25) v1(48.75,36) v1(49,130.75) v1(49,64.75) v1(49.25,101.5) v1(49.5,118.25) v1(49.5,52) v1(49.75,150.25) v1(49.75,147.75) v1(50,84.25) v1(50,81.75) v1(50.5,26) v1(51.75,18.5) v1(52,84.25) v1(52,81.75) v1(52.25,150.25) v1(52.25,147.75) v1(53.75,134) v1(54,72.75) v1(64.36,24.83) v1(65,130.75) v1(65,64.75) v1(65.05,19.9) v1(66.5,136.5) v1(66.5,70.25) v1(67.75,131) v1(67.75,65) v1(67.75,36.25) v1(68,101.75) v1(68.25,118.25) v1(68.25,52.25) v1(68.75,150.25) v1(68.75,148) v1(68.75,84.25) v1(68.75,82) v1(70,24.75) v1(70.75,84.25) v1(70.75,82) v1(71,150.25) v1(71,148) v1(72.5,134.5) v1(72.75,72.75) v1(75.08,32.8) v1(75.5,19.75) v1(79.5,24.5) v1(79.55,20.45) v1(83.25,29.21) v1(83.75,130.75) v1(83.75,64.75) v1(85.25,136.25) v1(85.25,70.25) v1(86.25,36.25) v1(86.5,131) v1(86.5,65) v1(87,118) v1(87,101.75) v1(87,52) v1(87.5,150.25) v1(87.5,148) v1(87.5,84.25) v1(87.5,82) v1(88,30) v1(88.75,16) v1(89.75,150.25) v1(89.75,148) v1(89.75,84.25) v1(89.75,82) v1(91.5,134) v1(91.56,72.85) v1(97.25,13.75) v1(101,26) v1(102.5,131) v1(102.5,64.75) v1(104,136.25) v1(104,70.25) v1(105,36.75) v1(105.25,131.25) v1(105.25,65) v1(105.5,101.75) v1(105.75,118.25) v1(105.75,52.25) v1(106.25,150.25) v1(106.25,148.25) v1(106.25,84.25) v1(106.25,82.25) v1(106.73,26.29) v1(108.5,150.25) v1(108.5,148.25) v1(108.5,84.25) v1(108.5,82.25) v1(109.08,129.3) v1(110,134.25) v1(110.08,17.54)
